# Allegro board 6089-119-RevA_41.brd (continued)
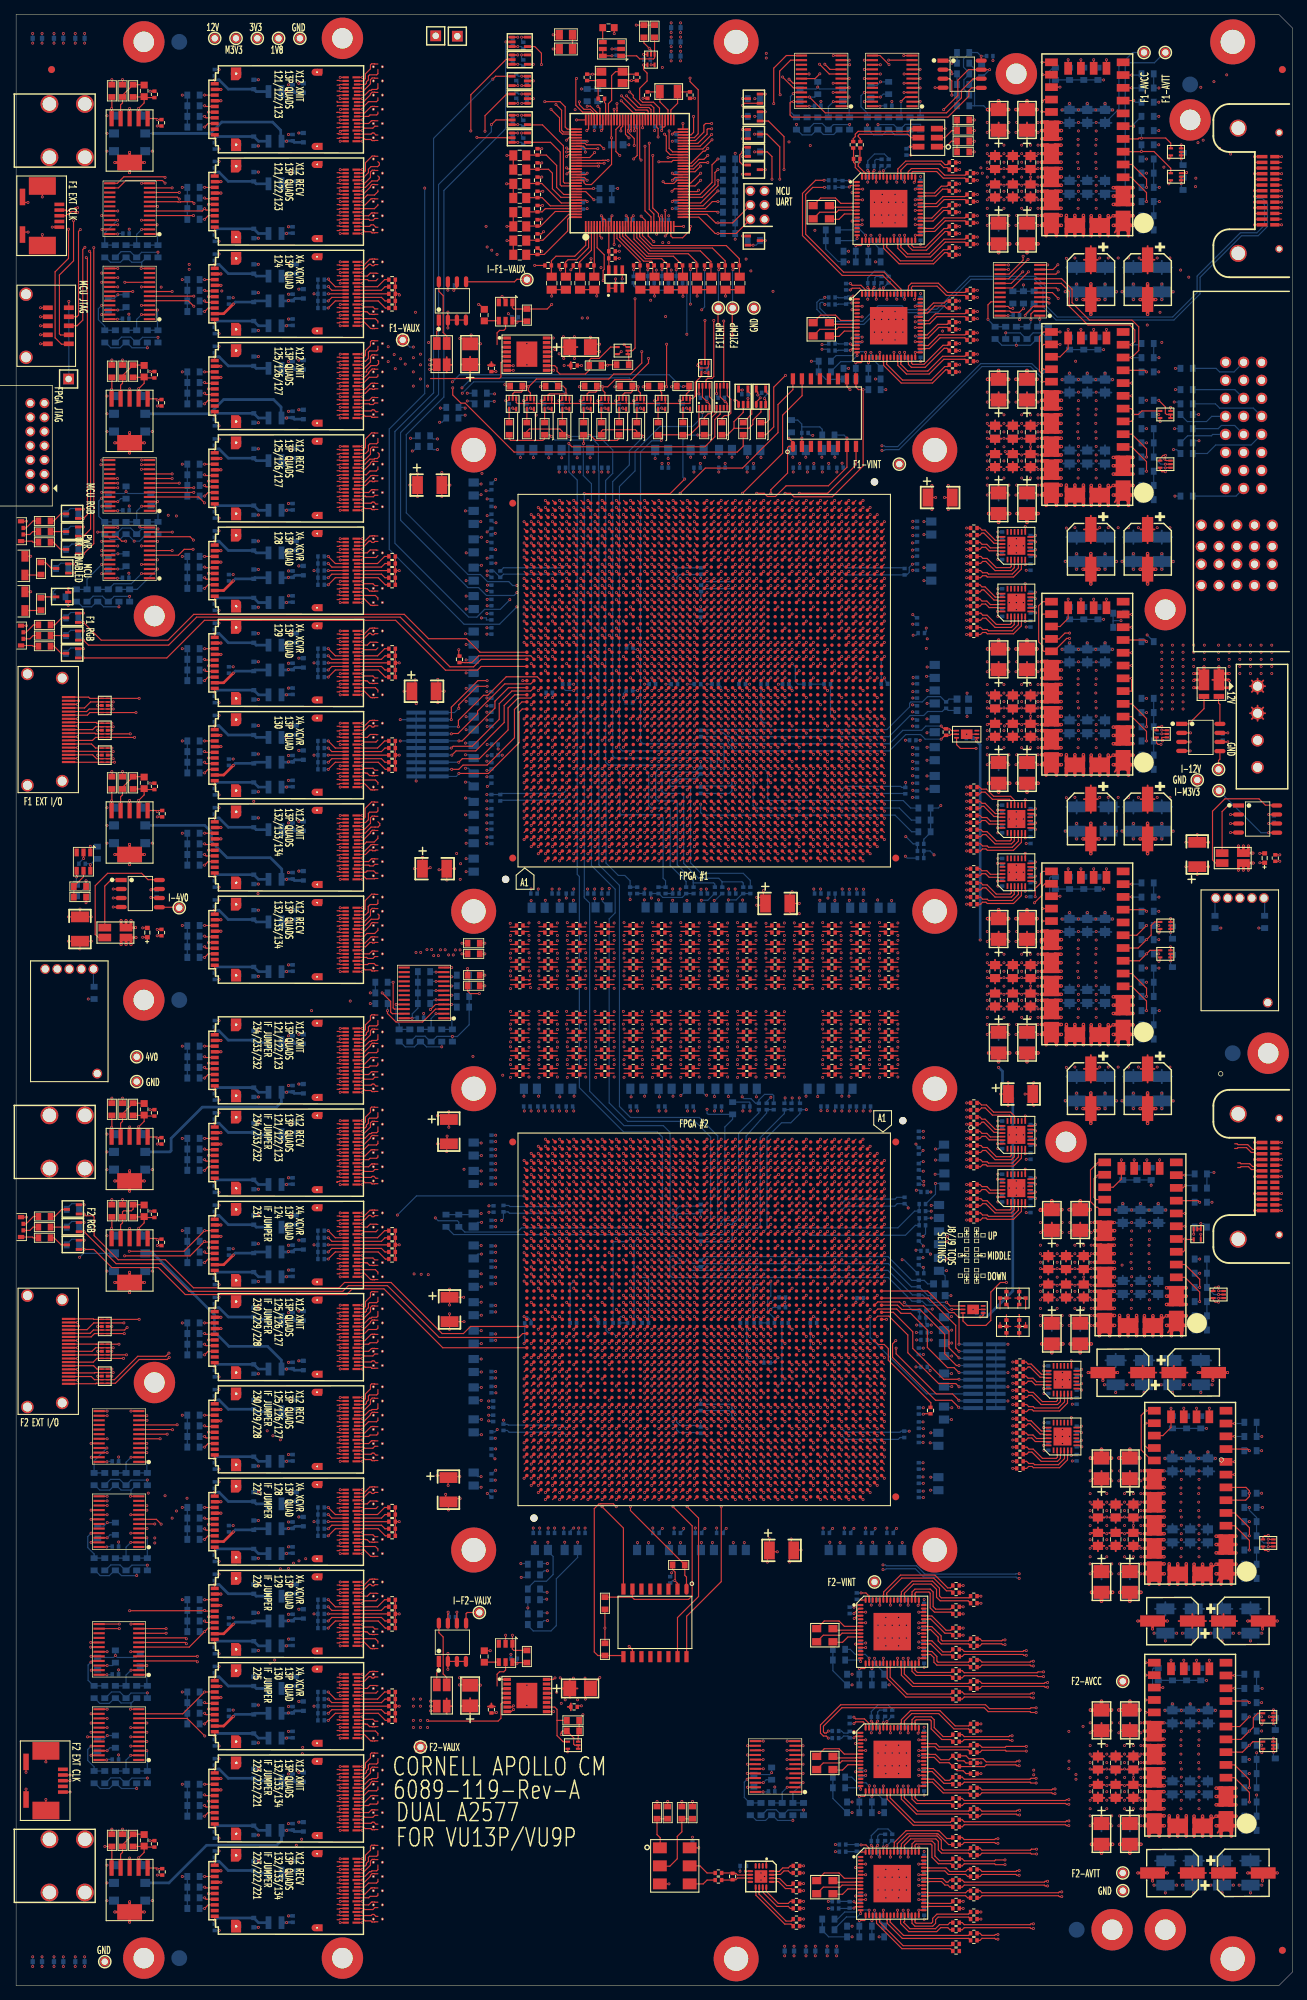
[diagram p0: board, top side]
## Routing (per net, layer and track width the routed paths; a pad name or vN(x,y) marks a point on that pad's centre or on a via; arc(x,y) is an arc through that point) (continued)
  TOP w0.165: U77.T35 v1(107.39,84.51)
  BOTTOM w0.165: R386.2 107.95,85.07 v1(107.39,84.51)
N19812776: length 4.6
  TOP w0.165: U75.AV28 v1(109.39,186.29)
  BOTTOM w0.165: R377.2 110.2,183.4 109.85,183.75 109.85,185.83 v1(109.39,186.29)
N19814828: length 12.5
  TOP w0.165: U75.T35 v1(86.61,193.29)
  SIG4 w0.079: v1(86.61,193.29) 87.05,192.85 87.05,183.9 87.55,183.4 v1(88.6,183.4)
  BOTTOM w0.165: R442.2 v1(88.6,183.4)
N19816939: length 4.6
  TOP w0.165: U75.BL29 v1(122.39,187.29)
  BOTTOM w0.165: R317.2 121.95,186.85 v1(122.39,187.29)
N19817532: length 3.4
  TOP w0.165: U77.BL29 v1(71.61,90.51)
  BOTTOM w0.165: R468.2 71.7,90.6 v1(71.61,90.51)
N19817837: length 14.3
  TOP w0.165: U75.AR15 v1(106.39,172.51)
  SIG4 w0.079: v1(103.4,183.4) 103.5,183.4 104,182.9 104,173.25 104.3,172.95 105.95,172.95 v1(106.39,172.51)
  BOTTOM w0.165: R411.2 v1(103.4,183.4)
N19817988: length 12.7
  TOP w0.165: U77.AR15 v1(87.61,105.29)
  BOTTOM w0.165: v1(87.61,105.29) 87.1,104.78 R448.2
N19818851: length 7
  TOP w0.165: U77.U21 v1(106.39,99.29)
  BOTTOM w0.165: R394.2 106.9,94.05 105.95,95 105.95,96.75 106.39,97.19 v1(106.39,99.29)
N19818986: length 7.6
  TOP w0.165: U77.V21 v1(105.39,99.29)
  BOTTOM w0.165: R400.2 104.05,93.4 104.05,93.86 103.9,94.02 103.9,98.63 104.07,98.8 104.9,98.8 v1(105.39,99.29)
N19819505: length 9.5
  TOP w0.165: U75.U21 v1(87.61,178.51)
  SIG4 w0.079: v1(87.61,178.51) 88.05,178.95 90.75,178.95 91,179.2 91,182.9 91.5,183.4 v1(91.6,183.4)
  BOTTOM w0.165: R437.2 v1(91.6,183.4)
N19819631: length 12.7
  TOP w0.165: U75.V21 v1(88.61,178.51)
  SIG4 w0.079: v1(94.6,183.4) 94.5,183.4 94,182.9 94,178.3 93.65,177.95 89.17,177.95 v1(88.61,178.51)
  BOTTOM w0.165: R432.2 v1(94.6,183.4)
N19850586: length 12.5
  TOP w0.165: U75.AT15 v1(107.39,172.51)
  SIG4 w0.079: v1(107.45,183.39) 107.45,183.4 108,182.85 108,173.12 v1(107.39,172.51)
  BOTTOM w0.165: v1(107.45,183.39) 107.45,183.4 R385.2
N19850732: length 14.6
  TOP w0.165: U77.AT15 v1(86.61,105.29)
  BOTTOM w0.165: v1(86.61,105.29) 86.17,104.85 84.3,104.85 84.15,104.7 R453.2
N20924230: length 5.8
  TOP w0.165: U71.1 90.8,19.49 90.8,20.85 90.35,21.3 R112.2 R111.2
N20924377: length 10.3
  TOP w0.165: U71.2 90.8,16.85 92.15,16.85 93.2,17.9 93.2,21.05 93.85,21.7 R110.2 R109.2
N20926107: length 7
  TOP w0.165: U86.7 116.25,251.15 115.5,251.9 113.42,251.9 X3.2
N20926109: length 4.2
  TOP w0.165: U86.10 116.75,249.65 116,248.9 114.72,248.9 X3.4
N20926735: length 7
  TOP w0.165: U87.7 116.25,234.65 115.5,235.4 113.42,235.4 X4.2
N20926756: length 4.2
  TOP w0.165: X4.4 114.72,232.4 116,232.4 116.75,233.15 U87.10
N20932170: length 3.8
  TOP w0.165: v1(118.36,245.2) 118.37,245.2 119.1,245.2 119.25,245.35 U86.17
  BOTTOM w0.165: v1(118.36,245.2) R346.2 R347.1
N20932208: length 3.1
  TOP w0.165: v1(120.14,245.2) 120.25,245.31 U86.19
  BOTTOM w0.165: v1(120.14,245.2) R325.2 R326.1
N20973779: length 3.8
  TOP w0.165: U87.17 119.25,228.85 119.1,228.7 118.37,228.7 v1(118.36,228.7)
  BOTTOM w0.165: v1(118.36,228.7) R348.2 R349.1
N20973817: length 3.1
  TOP w0.165: U87.19 120.25,228.81 v1(120.14,228.7)
  BOTTOM w0.165: R328.1 R327.2 v1(120.14,228.7)
N21082310: length 4.7
  TOP w0.165: U92.1 131.08,259.13 131.85,259.9 R143.2 R144.2
N21082363: length 4.8
  TOP w0.165: R141.2 R142.2 131.9,261.4 130.9,260.4 U92.2
N21248818: length 11.1
  TOP w0.165: R75.1 63.25,186.45 63.28,186.43 63.6,186.43 63.62,186.45 64.25,186.45 65.2,187.4 72.55,187.4 73,186.95 U75.B29
N21249011: length 13.2
  TOP w0.165: R140.1 128.95,81.55 128.95,82.15 122.95,88.15 122.95,89.78 122.38,90.36 121.54,90.36 U77.B29
N21280069: length 5.7
  TOP w0.165: U75.BD21 v1(115.39,178.51)
  BOTTOM w0.165: v1(115.39,178.51) 115.34,178.51 114.8,179.05 R370.2
N21280113: length 8.4
  TOP w0.165: U75.L30 v1(81.61,188.29)
  SIG4 w0.079: v1(78.6,183.39) 78.69,183.39 79.1,183.8 79.1,187.5 79.45,187.85 81.17,187.85 v1(81.61,188.29)
  BOTTOM w0.165: R460.2 78.6,183.4 v1(78.6,183.39)
N21280155: length 15.1
  TOP w0.165: U75.W32 v1(89.61,190.29)
  SIG4 w0.079: v1(97.4,183.4) 95.55,183.4 95.05,183.9 95.05,189.4 94.6,189.85 90.05,189.85 v1(89.61,190.29)
  BOTTOM w0.165: R422.2 v1(97.4,183.4)
N21280269: length 6.7
  TOP w0.165: U77.BD21 v1(78.61,99.29)
  BOTTOM w0.165: R459.2 78.1,98.78 v1(78.61,99.29)
N21280313: length 4.6
  TOP w0.165: U77.L30 v1(112.39,89.51)
  BOTTOM w0.165: v1(112.39,89.51) 111.95,89.95 R375.2
N21280357: length 7.4
  TOP w0.165: U77.W32 v1(104.39,87.51)
  BOTTOM w0.165: R409.2 103,88.3 103.35,87.95 103.95,87.95 v1(104.39,87.51)
N21339021: length 2
  TOP w0.165: U77.U24 v1(106.39,96.29)
  BOTTOM w0.165: R388.2 107.1,97 v1(106.39,96.29)
N21339091: length 1.8
  TOP w0.165: U77.U25 v1(106.39,95.29)
  BOTTOM w0.165: v1(106.39,95.29) 106.7,95.6 R389.2
N21339158: length 1.3
  TOP w0.165: U75.U25 v1(87.61,182.51)
  BOTTOM w0.165: v1(87.61,182.51) 87.6,182.5 R451.2
N21339226: length 1.6
  TOP w0.165: U75.U24 v1(87.61,181.51)
  BOTTOM w0.165: R452.2 v1(87.61,181.51)
N21339296: length 1.3
  TOP w0.165: U75.D24 v1(74.61,181.51)
  BOTTOM w0.165: R461.2 74.7,181.6 v1(74.61,181.51)
N21339365: length 1.5
  TOP w0.165: U75.T31 v1(86.61,189.29)
  BOTTOM w0.165: R450.2 86.05,188.65 86.61,189.21 v1(86.61,189.29)
N21339436: length 1.9
  TOP w0.165: U77.T31 v1(107.39,88.51)
  BOTTOM w0.165: v1(107.39,88.51) 106.68,87.8 R395.2
N21339504: length 1.2
  TOP w0.165: U77.D24 v1(119.39,96.29)
  BOTTOM w0.165: v1(119.39,96.29) 119.39,96.84 R336.2
N21429495: length 5.6
  TOP w0.165: v1(131.9,266.4) 131.9,268.4 131.59,268.71 U93.3
  BOTTOM w0.165: v1(131.9,266.4) R293.1 R294.2
N21429547: length 3.9
  TOP w0.165: U93.2 131.66,269.99 131.9,269.75 v1(131.9,269.4)
  BOTTOM w0.165: v1(131.9,269.4) R291.1 R292.2
N21429593: length 3.6
  TOP w0.165: v1(131.9,270.9) 131.54,271.25 U93.1
  BOTTOM w0.165: R289.1 R290.2 v1(131.9,270.9)
N184541773: length 1.9
  TOP w0.165: U2.4 v1(8.53,156.24)
  BOTTOM w0.165: C1229.2 8.5,156.21 v1(8.53,156.24)

## Copper pours and planes (outline as drawn; the poured copper is in the pictures)
12V_INPUT on TOP: 177.5,189.9 177.5,177.4 172.5,177.4 172.5,182.4 168.5,182.4 168.5,189.9
12V_INPUT on PWR4: 165.5,201.4 165.5,187.4 168.5,187.4 168.5,176.9 178.5,176.9 178.5,201.4
GND on TOP: 147.25,180.45 147.25,177.45 154.3,177.45 154.3,180.45
GND on TOP: 136.7,218.55 136.7,215.45 144.65,215.45 144.65,218.55
GND on TOP: 136.7,180.55 136.7,177.45 144.65,177.45 144.65,180.55
GND on TOP: 147.25,218.45 147.25,215.45 154.3,215.45 154.3,218.45
GND on TOP: 144.2,101.55 144.2,98.45 152.15,98.45 152.15,101.55
GND on TOP: 136.7,256.55 136.7,253.45 144.65,253.45 144.65,256.55
GND on TOP: 136.7,142.55 136.7,139.45 144.65,139.45 144.65,142.55
GND on TOP: 154.75,101.45 154.75,98.45 161.8,98.45 161.8,101.45
GND on TOP: 147.25,256.45 147.25,253.45 154.3,253.45 154.3,256.45
GND on TOP: 161.75,30.95 161.75,27.95 168.8,27.95 168.8,30.95
GND on TOP: 151.2,31.05 151.2,27.95 159.15,27.95 159.15,31.05
GND on TOP: 161.75,66.45 161.75,63.45 168.8,63.45 168.8,66.45
GND on TOP: 151.2,66.55 151.2,63.45 159.15,63.45 159.15,66.55
GND on TOP: 147.25,142.45 147.25,139.45 154.3,139.45 154.3,142.45
GND on BOTTOM: 136.7,180.55 136.7,177.45 154.3,177.45 154.3,180.55
GND on BOTTOM: 136.7,218.55 136.7,215.45 154.3,215.45 154.3,218.55
GND on BOTTOM: 151.2,31.05 151.2,27.95 168.8,27.95 168.8,31.05
GND on BOTTOM: 136.7,256.55 136.7,253.45 154.3,253.45 154.3,256.55
GND on BOTTOM: 144.2,101.55 144.2,98.45 161.8,98.45 161.8,101.55
GND on BOTTOM: 136.7,142.55 136.7,139.45 154.3,139.45 154.3,142.55
GND on BOTTOM: 151.2,66.55 151.2,63.45 168.8,63.45 168.8,66.55
GND on GND1: 1,1.9 1,209.5 6,209.5 6,224.5 1,224.5 1,275.9 179.5,275.9 179.5,230.9 164.5,230.9 164.5,195.4 179.5,195.4 179.45,177 173.5,177 173.5,170 179.45,170 179.5,1.9 ; 1 cut-out
GND on GND2: 1,1.9 1,209.5 6,209.5 6,224.5 1,224.5 1,275.9 179.5,275.9 179.5,230.9 164.5,230.9 164.5,195.4 179.5,195.4 179.5,177 173.5,177 173.5,170 179.5,170 179.5,1.9 ; 1 cut-out
GND on GND3, GND4: 1,1.9 1,209.5 6,209.5 6,224.5 1,224.5 1,275.9 179.5,275.9 179.5,230.9 164.5,230.9 164.5,195.4 179.5,195.4 179.5,177 173.5,177 173.5,170 179.5,170 179.5,1.9 ; 1 cut-out
GND on GND5: 1,1.9 1,209.5 6,209.5 6,224.5 1,224.5 1,275.9 179.5,275.9 179.5,230.9 164.5,230.9 164.5,195.4 179.5,195.4 179.5,177 173.5,177 173.5,170 179.5,170 179.5,1.9 ; 1 cut-out
GND on GND6: 1,1.9 1,209.5 3,209.5 3,224.5 1,224.5 1,275.9 179.5,275.9 179.5,1.9
(no net) on PWR4: 65,104.4 77.5,104.4 77.5,110.4 116.5,110.4 116.5,104.4 127,104.4 127,83.7 116.6,83.7 116.6,78.4 77.5,78.4 77.5,83.2 64.5,83.34 64.5,32.6 55.5,32.6 55.5,99.35 65,99.35
V_1V8 on TOP: 136.7,133.3 136.7,139.1 144.75,139.1 144.75,133.3
V_1V8 on TOP: 154.2,139.1 154.2,136.2 147.15,136.2 147.15,139.1
V_1V8 on BOTTOM: 136.7,132.3 136.7,139.1 154.2,139.1 154.2,136.2 147.6,136.2 147.6,132.3
V_1V8 on PWR2: 1,275.9 1,1.9 178.5,1.9 178.5,275.9
V_3V3 on TOP: 147.15,142.7 147.15,149.5 154.7,149.5 154.7,142.7
V_3V3 on TOP: 74.5,231.4 76.5,231.4 76.5,232.75 79.5,232.75 79.5,228.9 78.6,228.9 78.6,227.4 76.5,227.4 76.5,228.9 74.5,228.9
V_3V3 on TOP: 136.7,142.7 136.7,148.8 144.75,148.8 144.75,142.7
V_3V3 on TOP: 74.5,42.4 76.5,42.4 76.5,43.7 79.5,43.7 79.5,39.9 78.65,39.9 78.65,38.4 76.5,38.4 76.5,39.9 74.5,39.9
V_3V3 on BOTTOM: 136.7,142.7 136.7,149.5 154.7,149.5 154.7,142.7
V_3V3 on PWR5: 1,1.9 1,275.9 178.5,275.9 178.5,1.9
V_4V0 on PWR1: 8.5,8.4 8.5,263.9 21,263.9 21,8.4
V_12V on TOP: 163,14.4 163,20.4 165.5,20.4 165.5,24.3 172.2,24.3 172.2,20.4 173,20.4 173,14.4
V_12V on TOP: 147.75,240.5 147.75,245.9 151.3,245.9 151.3,249.8 157.7,249.8 157.7,245.9 163.45,245.9 163.45,240.5
V_12V on TOP: 156,84.9 156,90.9 158.5,90.9 158.5,94.8 165.2,94.8 165.2,90.9 166,90.9 166,84.9
V_12V on TOP: 147.75,126.5 147.75,131.9 151.3,131.9 151.3,135.8 157.7,135.8 157.7,131.9 163.45,131.9 163.45,126.5
V_12V on TOP: 168,189.9 168,182.4 166,182.4 166,179.4 161,179.4 161,189.9
V_12V on TOP: 163,49.9 163,55.9 165.5,55.9 165.5,59.8 172.2,59.8 172.2,55.9 173,55.9 173,49.9
V_12V on TOP: 147.75,164.5 147.75,169.9 151.3,169.9 151.3,173.8 157.7,173.8 157.7,169.9 163.45,169.9 163.45,164.5
V_12V on TOP: 147.75,202.5 147.75,207.9 151.3,207.9 151.3,211.8 157.7,211.8 157.7,207.9 163.45,207.9 163.45,202.5
V_12V on BOTTOM: 160,50.9 160,55.9 165.8,55.9 165.8,59.8 172.2,59.8 172.2,55.9 176,55.9 176,50.9
V_12V on BOTTOM: 153,85.9 153,90.9 158.8,90.9 158.8,94.8 165.2,94.8 165.2,90.9 169,90.9 169,85.9
V_12V on BOTTOM: 160,15.4 160,20.4 165.8,20.4 165.8,24.3 172.2,24.3 172.2,20.4 176,20.4 176,15.4
V_12V on BOTTOM: 147.75,240.5 147.75,245.1 151.3,245.1 151.3,249.8 157.7,249.8 157.7,245.9 163.45,245.9 163.45,240.5
V_12V on BOTTOM: 147.75,202.5 147.75,207.1 151.3,207.1 151.3,211.8 157.7,211.8 157.7,207.9 163.45,207.9 163.45,202.5
V_12V on BOTTOM: 147.75,164.5 147.75,169.1 151.3,169.1 151.3,173.8 157.7,173.8 157.7,169.9 163.45,169.9 163.45,164.5
V_12V on BOTTOM: 147.75,126.5 147.75,131.1 151.3,131.1 151.3,135.8 157.7,135.8 157.7,131.9 163.45,131.9 163.45,126.5
V_12V on PWR1: 170,5.9 170,12.4 160,12.4 160,24.4 169.5,24.4 169.5,48.9 162.97,48.9 163.02,59.4 168.5,59.4 168.5,85.4 156,85.4 156,94.4 162.5,94.4 162.5,128.4 148,128.4 148,135.9 155,135.9 155,164.9 148,164.9 148,173.4 155,173.4 155,202.9 148,202.9 148,211.4 155,211.4 155,240.4 148,240.4 148,249.9 21.5,249.9 21.5,264.4 8,264.4 8,140.4 1.5,140.4 1.5,275.9 178.5,275.9 178.5,5.9
V_F1_AVCC on TOP: 136.7,256.7 136.7,262.8 144.75,262.8 144.75,256.7
V_F1_AVCC on TOP: 147.15,256.7 147.15,263.5 154.7,263.5 154.7,256.7
V_F1_AVCC on BOTTOM: 136.7,256.7 136.7,263.5 154.7,263.5 154.7,256.7
V_F1_AVCC on PWR3: 154.5,262.9 154.5,248.87 141,248.83 141,152.4 62.5,152.4 62.5,174.7 78,174.7 78,172.9 117.45,172.9 117.45,194.9 78.5,194.9 78.5,193.1 62.5,193.1 62.5,212.65 66.85,212.65 66.85,215.9 123,215.9 123,262.9
V_F1_AVTT on TOP: 136.7,247.3 136.7,253.1 144.75,253.1 144.75,247.3
V_F1_AVTT on TOP: 154.2,253.1 154.2,250.2 147.15,250.2 147.15,253.1
V_F1_AVTT on BOTTOM: 136.7,246.3 136.7,253.1 154.2,253.1 154.2,250.2 147.6,250.2 147.6,246.3
V_F1_AVTT on PWR4: 154.5,253.4 123,253.4 123,215.9 65.5,215.9 65.5,197.4 70,197.4 70,195.2 76.8,195.2 76.8,200.3 117.1,200.3 117.1,194.8 127.4,194.8 127.4,174.7 125.9,174.7 125.9,172.9 116.5,172.9 116.5,169.3 117.1,169.3 117.1,168.05 116.5,168.05 116.5,167.6 77.05,167.6 77.05,172.7 63.2,172.7 63.2,152.4 141,152.4 141,246.4 154.5,246.4
V_F1_INT on TOP: 136.7,171.3 136.7,177.1 144.75,177.1 144.75,171.3
V_F1_INT on TOP: 136.7,209.3 136.7,215.1 144.75,215.1 144.75,209.3
V_F1_INT on TOP: 147.15,218.7 147.15,225.5 154.7,225.5 154.7,218.7
V_F1_INT on TOP: 154.2,215.1 154.2,212.2 147.15,212.2 147.15,215.1
V_F1_INT on TOP: 136.7,218.7 136.7,224.8 144.75,224.8 144.75,218.7
V_F1_INT on TOP: 147.15,180.7 147.15,187.5 154.7,187.5 154.7,180.7
V_F1_INT on TOP: 136.7,180.7 136.7,186.8 144.75,186.8 144.75,180.7
V_F1_INT on TOP: 154.2,177.1 154.2,174.2 147.15,174.2 147.15,177.1
V_F1_INT on BOTTOM: 136.7,218.7 136.7,225.5 154.7,225.5 154.7,218.7
V_F1_INT on BOTTOM: 136.7,208.3 136.7,215.1 154.2,215.1 154.2,212.2 147.6,212.2 147.6,208.3
V_F1_INT on BOTTOM: 136.7,180.7 136.7,187.5 154.7,187.5 154.7,180.7
V_F1_INT on BOTTOM: 136.7,170.3 136.7,177.1 154.2,177.1 154.2,174.2 147.6,174.2 147.6,170.3
V_F1_INT on PWR1: 54,225.4 54,148.9 154,148.9 154,164.4 147.5,164.4 147.5,173.9 154.5,173.9 154.5,202.4 147.5,202.4 147.5,211.9 154.5,211.9 154.5,225.4
V_F1_INT on PWR5: 54,225.4 54,148.9 154,148.9 154,225.4
V_F1_INT on PWR6: 154,148.9 54,148.9 54,221.9 133.5,221.9 133.5,225.4 154,225.4
V_F1_VCCAUX on TOP: 53.2,233 58.5,233 58.5,224.9 55.5,224.9 55.5,230.5 53.2,230.5
V_F1_VCCAUX on PWR4: 58.5,233 58.5,231.84 65,231.8 65,196.9 69.5,196.9 69.5,194.7 78,194.7 78,199.25 116.4,199.25 116.4,194.3 126.9,194.3 126.9,175.25 125.35,175.25 125.35,173.4 115.7,173.4 115.7,168.6 77.65,168.57 77.65,173.31 63.2,173.3 63.2,181.25 55.5,181.25 55.5,230.5 53.2,230.5 53.2,233
V_F2_AVCC on TOP: 151.2,31.2 151.2,37.3 159.25,37.3 159.25,31.2
V_F2_AVCC on TOP: 161.65,31.2 161.65,38 169.2,38 169.2,31.2
V_F2_AVCC on BOTTOM: 151.2,31.2 151.2,38 169.2,38 169.2,31.2
V_F2_AVCC on PWR3: 169,30.9 123,30.9 123,60.4 65.2,60.4 65.2,82.74 82.1,82.7 115.7,82.84 115.7,105.1 64,105.1 64,127.9 141,127.9 141,53.6 169,53.6
V_F2_AVTT on TOP: 168.7,27.6 168.7,24.7 161.65,24.7 161.65,27.6
V_F2_AVTT on TOP: 151.2,21.8 151.2,27.6 159.25,27.6 159.25,21.8
V_F2_AVTT on BOTTOM: 151.2,20.8 151.2,27.6 168.7,27.6 168.7,24.7 162.1,24.7 162.1,20.8
V_F2_AVTT on PWR4: 65.3,105.1 65.3,127.9 141,127.9 141,28.4 168.5,28.4 168.5,14.9 123,14.9 123,60.4 65.3,60.4 65.3,82.7 76.9,82.7 76.9,77.9 117.2,77.9 117.2,83.2 127.5,83.2 127.5,104.9 117.2,104.9 117.2,111 76.8,111 76.8,105.1
V_F2_INT on TOP: 161.7,98.1 161.7,95.2 154.65,95.2 154.65,98.1
V_F2_INT on TOP: 151.2,66.7 151.2,72.8 159.25,72.8 159.25,66.7
V_F2_INT on TOP: 151.2,57.3 151.2,63.1 159.25,63.1 159.25,57.3
V_F2_INT on TOP: 154.65,101.7 154.65,108.5 162.2,108.5 162.2,101.7
V_F2_INT on TOP: 168.7,63.1 168.7,60.2 161.65,60.2 161.65,63.1
V_F2_INT on TOP: 144.2,101.7 144.2,107.8 152.25,107.8 152.25,101.7
V_F2_INT on TOP: 161.65,66.7 161.65,73.5 169.2,73.5 169.2,66.7
V_F2_INT on TOP: 144.2,92.3 144.2,98.1 152.25,98.1 152.25,92.3
V_F2_INT on BOTTOM: 151.2,56.3 151.2,63.1 168.7,63.1 168.7,60.2 162.1,60.2 162.1,56.3
V_F2_INT on BOTTOM: 144.2,101.7 144.2,108.5 162.2,108.5 162.2,101.7
V_F2_INT on BOTTOM: 144.2,91.3 144.2,98.1 161.7,98.1 161.7,95.2 155.1,95.2 155.1,91.3
V_F2_INT on BOTTOM: 151.2,66.7 151.2,73.5 169.2,73.5 169.2,66.7
V_F2_INT on PWR1: 54,127.9 54,53.87 162.5,53.9 162.5,59.9 168,59.9 168,84.9 155.5,84.9 155.5,94.9 162,94.9 162,127.9
V_F2_INT on PWR5: 54,127.9 54,53.9 162,53.9 162,127.9
V_F2_INT on PWR6: 54,127.9 54,53.9 162.5,53.9 162.5,59.9 168,59.9 168,84.9 162,84.9 162,127.9
V_F2_VCCAUX on TOP: 55.5,32.6 55.5,41.4 58.5,41.4 58.5,32.6
V_M3V3 on PWR6: 1,2 1,276.8 178.5,276.8 178.5,2
N16018066 on TOP: 60,229.9 60,226.9 66,226.9 66,227.9 68,227.9 68,229.4 69.5,229.4 69.5,231.4 66,231.4 66,229.9
N16487961 on TOP: 60,40.9 60,37.9 66,37.9 66,38.9 68,38.9 68,40.4 69.5,40.4 69.5,42.4 66,42.4 66,40.9
N18389223 on PWR4: 171.5,158.9 171.5,151.4 178.5,151.4 178.5,158.9
N18444836 on PWR4: 8.5,148.9 8.5,141.4 20.2,141.4 20.2,148.9

## Text on the board
Ref Des/Silkscreen Bottom: 3.8V | 3.3V | HRD10 | HRD01
User.Comments: ATCA -3.57,16.7 | BOARD 0,0 | BOARD 3.57,-16.7 | ATCA 0,0 | Dwg Number:  6089-119-revA | Contact: | 607-272-1751 | Cornell University | crs5@cornell.edu | Charlie Strohman | BOARD SPECIFICATIONS CONTAINED IN FILE: | README_FAB_6089-119-RevA.PDF
Ref Des/Assembly Top: U34B | U35B | U36B | U37B | U38B | U39B | U40B | U41B | U42B | U43B | U25B | U26B | U27B | U28B | U29B | U30B | U31B | U32B | U33B | U24B
Ref Des/Silkscreen Top: F2 EXT I/O | F1 EXT I/O | GND | 4V0 | I-4V0 | 12V | M3V3 | 3V3 | 1V8 | F1-VAUX | F2-VAUX | I-F2-VAUX | I-F1-VAUX | A1 | FPGA #1 | FPGA #2 | MCU | UART | F2-VINT | F1-VINT | MIDDLE | DOWN | UP | F2-AVCC | F2-AVTT | I-M3V3 | I-12V | F1TEMP | F2TEMP | F1-AVCC | F1-AVTT | FPGA JTAG | F1 EXT CLK | F2 EXT CLK | ENABLED | OK | MCU JTAG | PWR | F1 RGB | MCU RGB | F2 RGB | 234/233/232 | 231 | 230/229/228 | 227 | 226 | 225 | 223/222/221 | IF JUMPER | 121/122/123 | 124 | 125/126/127 | 128 | 129 | 130 | 132/133/134 | 13P QUADS | 13P QUAD | X12 XMIT | X12 RECV | X4 XCVR | SETTINGS | J8/J9 TCDS | CORNELL APOLLO CM | 6089-119-Rev-A | DUAL A2577 | FOR VU13P/VU9P
XSECTION_CHART: OVERHANGING COMPONENTS | 5 PLACES | ADD MIN 0.5" ASSEMBLY RAILS ROUTED ON | ALL 4 SIDES WITH MOUSEBITES | ADD 0.125" TOOLING HOLES - 4 PLACES | ADD 0.040" FIDUCIALS ON BOTH TOP AND BOTTOM | ROUT OUT THESE AREAS AS SHOWN FOR | *  SURFACE | *  DIELECTRIC | L1 TOP CONDUCTOR | L2 GND1 PLANE | L3 SIG1 CONDUCTOR | L4 GND2 PLANE | L5 SIG2 CONDUCTOR | L6 GND3 PLANE | L7 PWR1 PLANE | L8 PWR2 PLANE | L9 PWR3 PLANE | L10 PWR4 PLANE | L11 PWR5 PLANE | L12 PWR6 PLANE | L13 GND4 PLANE | L14 SIG3 CONDUCTOR | L15 GND5 PLANE | L16 SIG4 CONDUCTOR | L17 GND6 PLANE | L18 BOTTOM CONDUCTOR | DESIGN CROSS SECTION CHART | ___________________________ | 1-18 | B18-4-3 | B18-6-5 | B18-15-14 | B18-17-16
User.30: NOTES: | - MNC_LAYER: MUST-NOT-CUT-LAYER | - MAX_DEPTH: DEPTH FROM START LAYER TO THE | SURFACE OF MUST-NOT-CUT-LAYER | - MFG_STUB : MANUFACTURING STUB LENGTH | FIGURE | BD_SIZE | 0.3556 | MNC_LAYER | SIG4 | BACKDRILL: BOTTOM to GND6 | ALL UNITS ARE IN MILLIMETERS | MAX_DEPTH | 0.2153 | MFG_STUB | - | QTY | 460
User.31: NOTES: | - MNC_LAYER: MUST-NOT-CUT-LAYER | - MAX_DEPTH: DEPTH FROM START LAYER TO THE | SURFACE OF MUST-NOT-CUT-LAYER | - MFG_STUB : MANUFACTURING STUB LENGTH | FIGURE | BD_SIZE | 0.3556 | MNC_LAYER | SIG3 | BACKDRILL: BOTTOM to GND5 | ALL UNITS ARE IN MILLIMETERS | MAX_DEPTH | 0.4185 | MFG_STUB | - | QTY | 432
User.32: NOTES: | - MNC_LAYER: MUST-NOT-CUT-LAYER | - MAX_DEPTH: DEPTH FROM START LAYER TO THE | SURFACE OF MUST-NOT-CUT-LAYER | - MFG_STUB : MANUFACTURING STUB LENGTH | FIGURE | BD_SIZE | 0.3556 | MNC_LAYER | SIG1 | BACKDRILL: BOTTOM to GND2 | ALL UNITS ARE IN MILLIMETERS | MAX_DEPTH | 1.9029 | MFG_STUB | - | QTY | 416
User.33: NOTES: | - MNC_LAYER: MUST-NOT-CUT-LAYER | - MAX_DEPTH: DEPTH FROM START LAYER TO THE | SURFACE OF MUST-NOT-CUT-LAYER | - MFG_STUB : MANUFACTURING STUB LENGTH | FIGURE | BD_SIZE | 0.3556 | MNC_LAYER | SIG2 | BACKDRILL: BOTTOM to GND3 | ALL UNITS ARE IN MILLIMETERS | MAX_DEPTH | 1.6997 | MFG_STUB | - | QTY | 460
User.34: FIGURE | FINISHED_SIZE | 0.2032 | 0.7 | 0.762 | 0.889 | 0.9144 | 1.016 | 1.02 | 1.1684 | 1.27 | 1.397 | 1.905 | 1.91 | 2.8956 | 3.4036 | 0.89 | 1.0414 | 1.45 | 3.2 | DRILL CHART: TOP to BOTTOM | ALL UNITS ARE IN MILLIMETERS | PLATED | NON-PLATED | QTY | 1768 | 8467 | 4 | 40 | 46 | 3 | 12 | 44 | 2 | 14 | 80
